# KiCad board GNSS_breakout_L86-M33.kicad_pcb
title: GNSS breakout L86-M33; date: 2022-12-08; rev: V1.2.0; company: SOLDERED; note: 333201
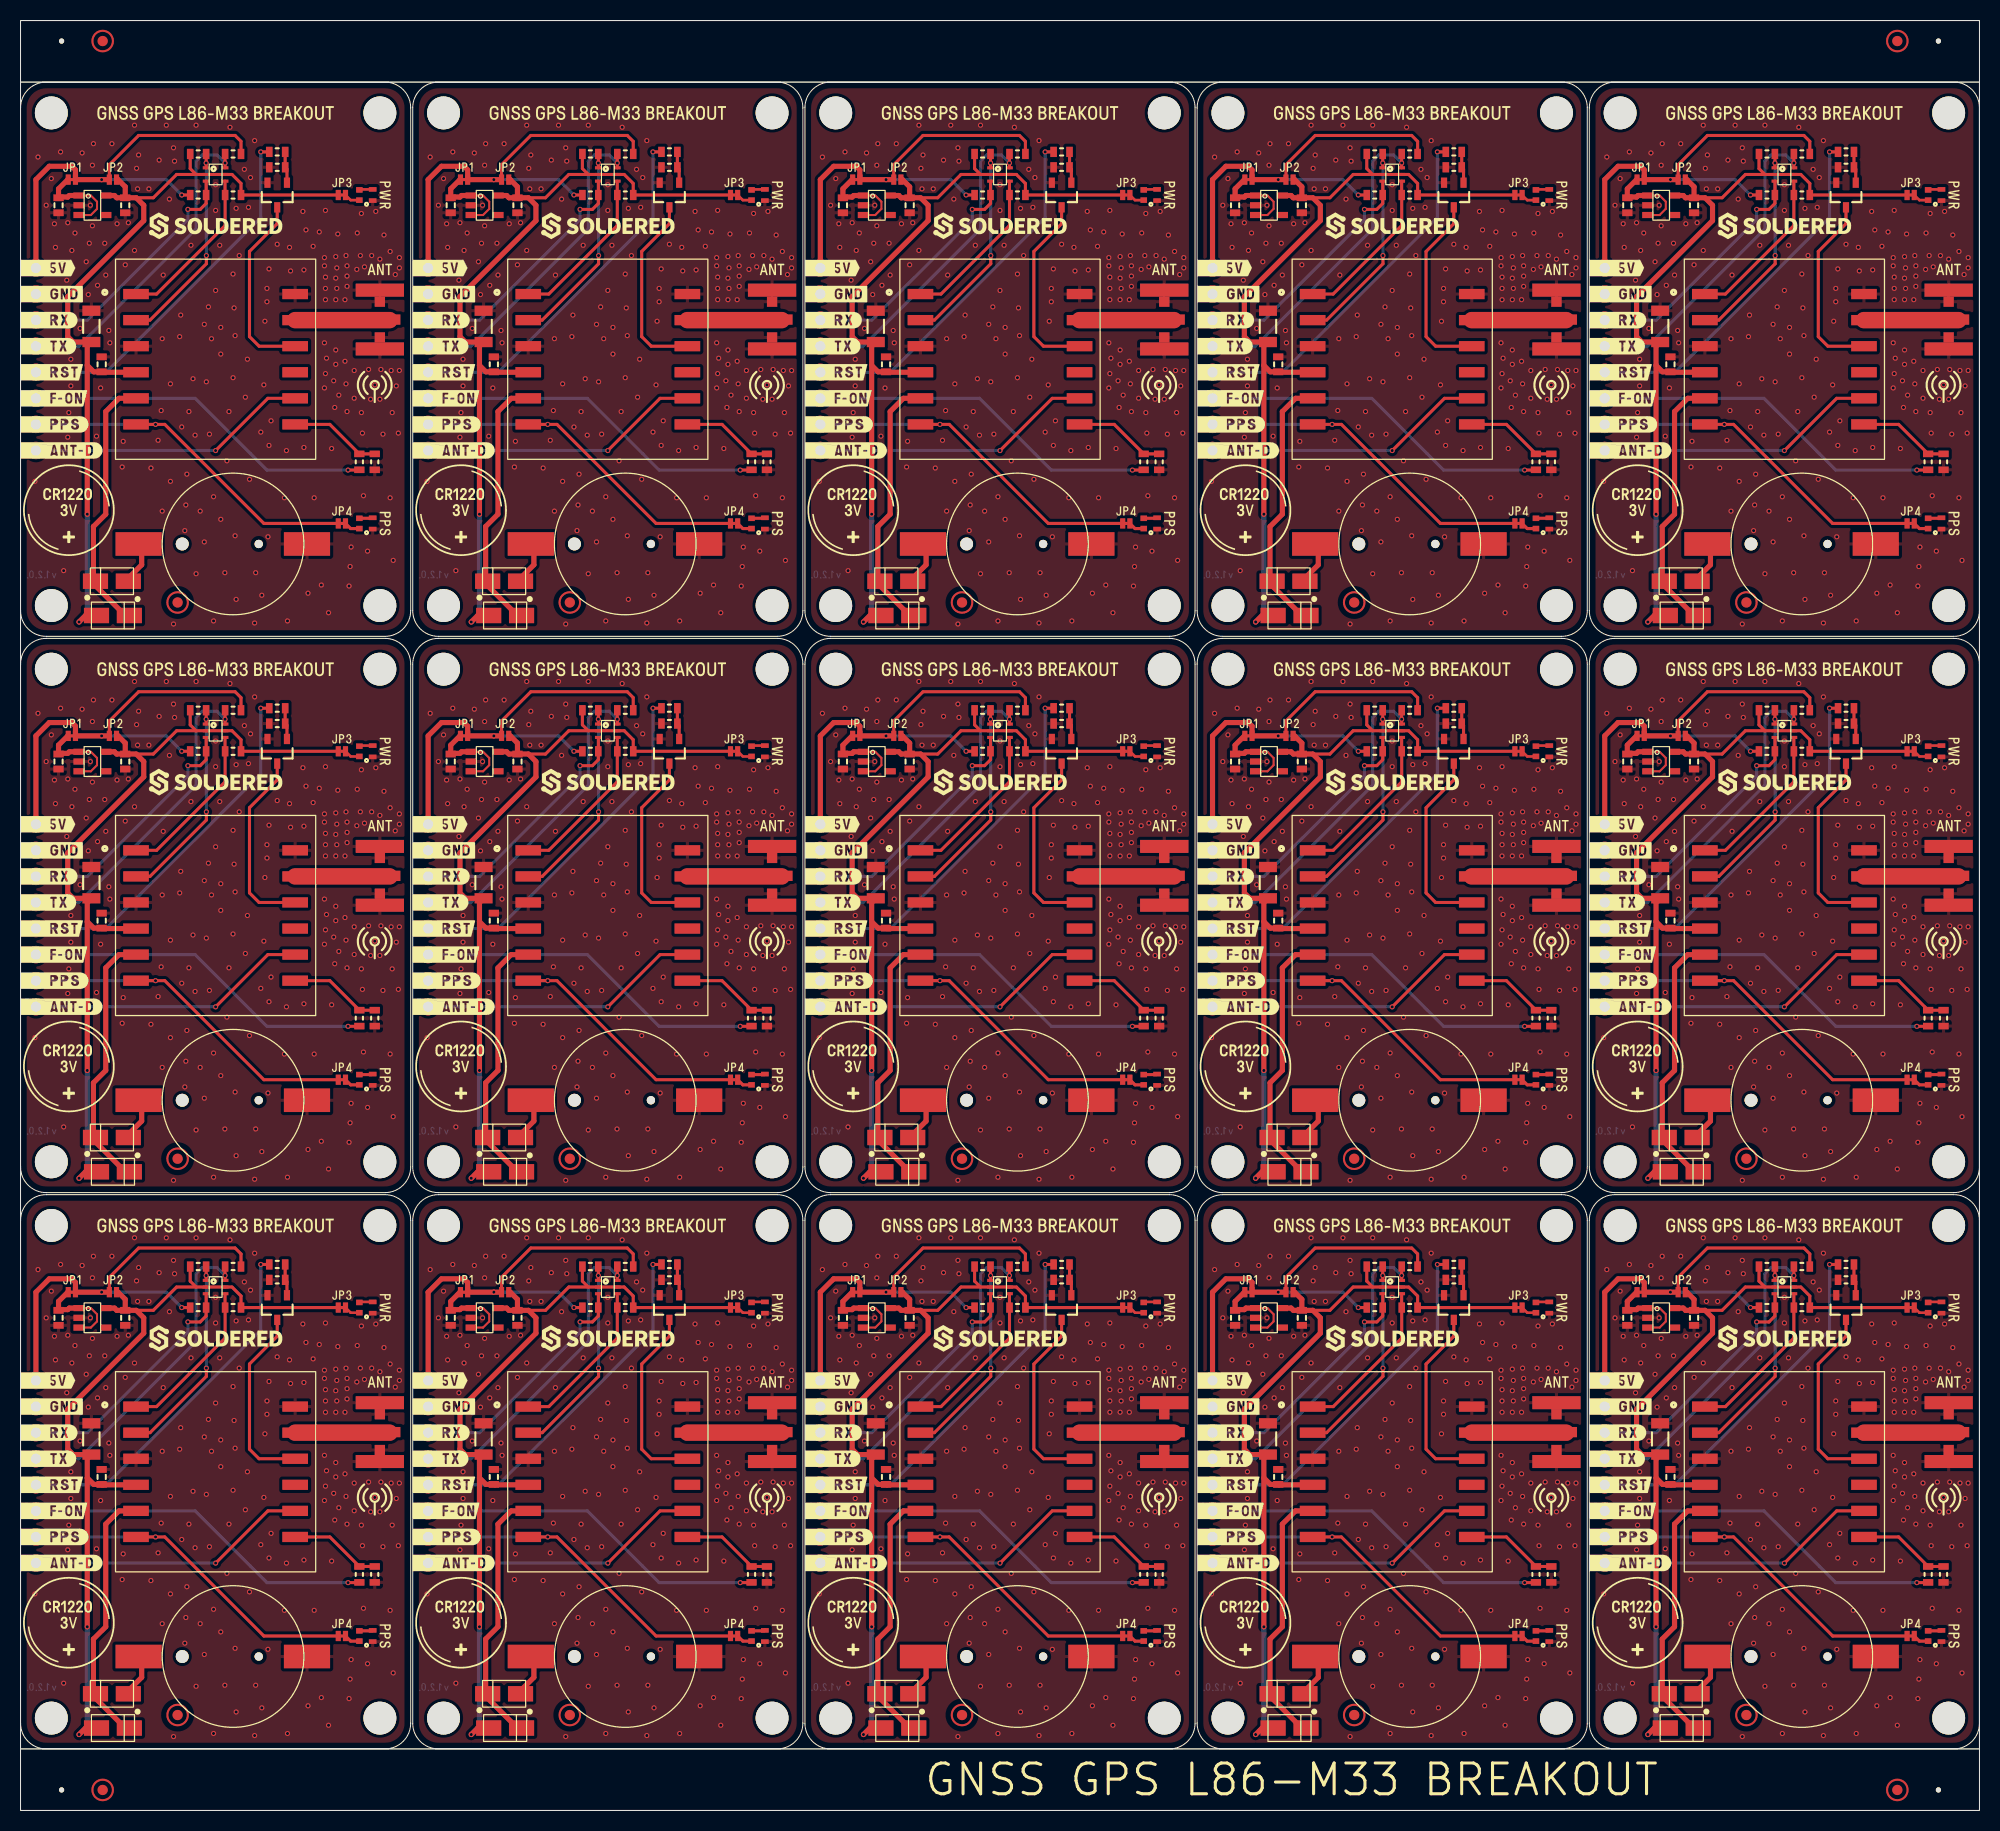
[diagram p0: board, top side]
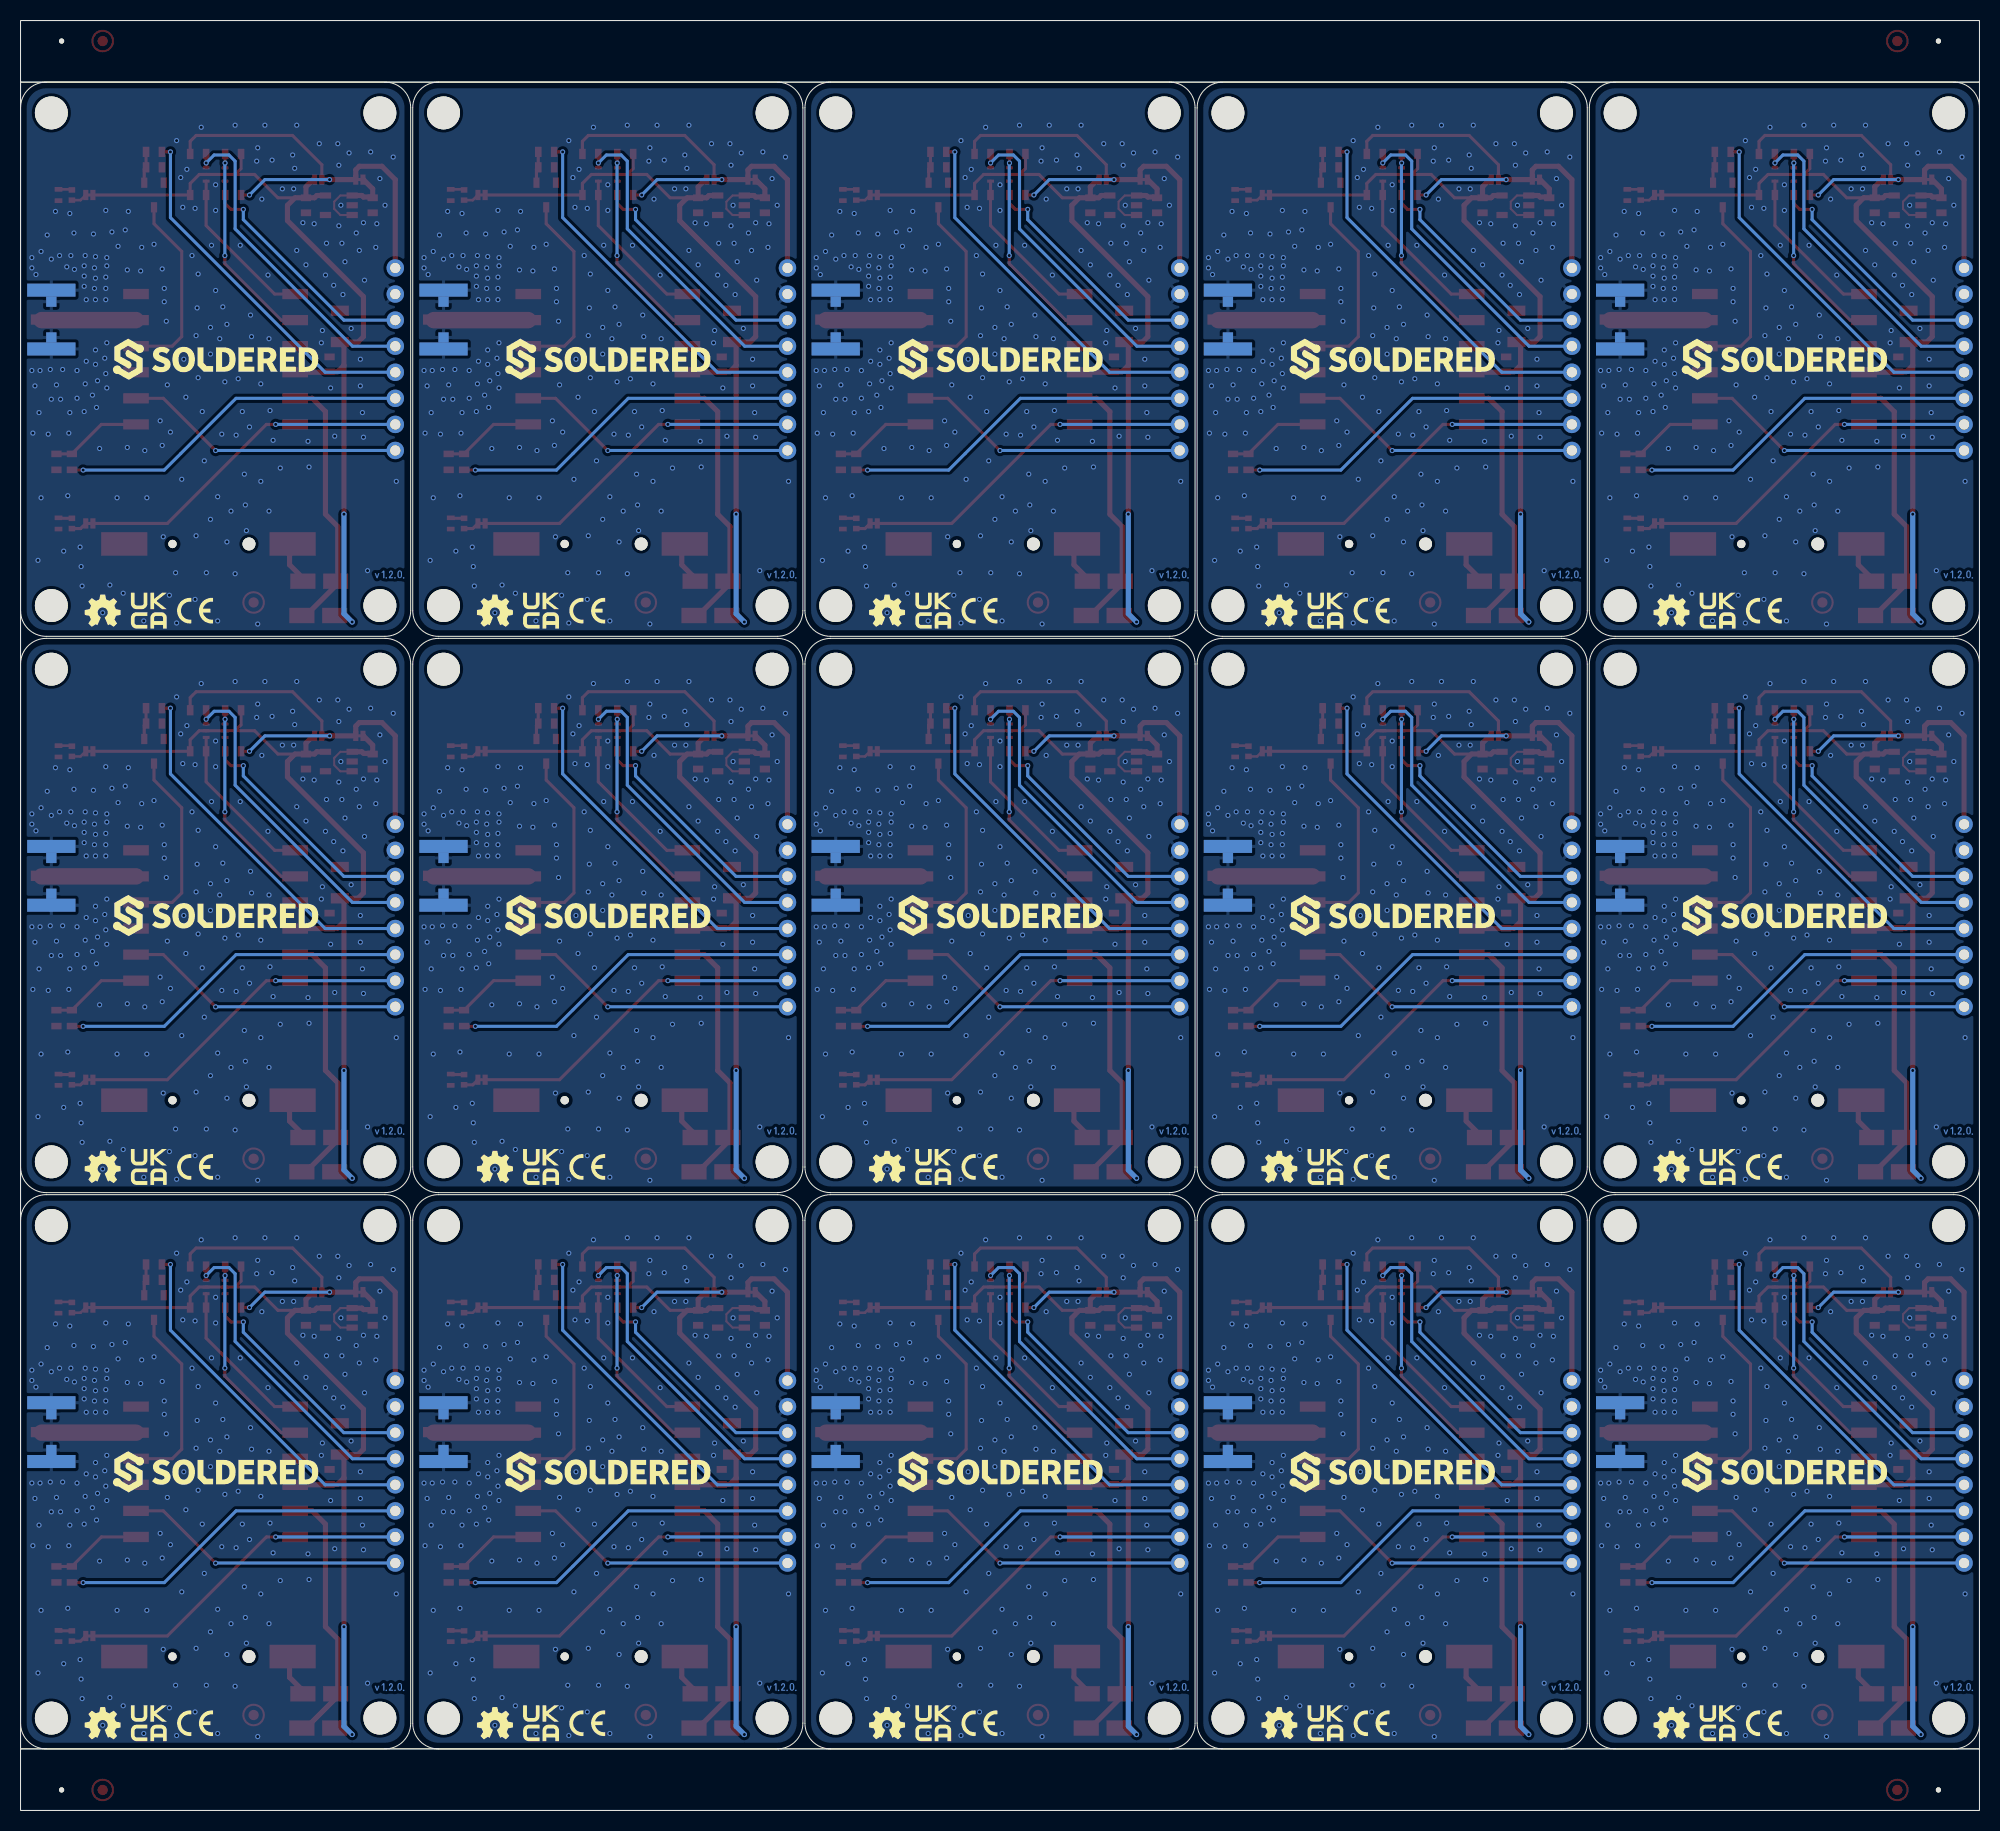
[diagram p1: board, bottom side, seen from below]

Outline 190.8 x 174.4 mm; copper layers: Top, Bottom. Coordinates in mm from the lower left corner of the outline.
Outline path: rectangle 0,174.4 190.8,168.4 ; rectangle 0,168.4 190.8,6 ; rectangle 0,6 190.8,0 ; rectangle 190.8,168.4 190.8,6 ; 0,165.9 arc(0.73,167.67) 2.5,168.4 35.5,168.4 arc(37.27,167.67) 38,165.9 38,116.9 arc(37.27,115.13) 35.5,114.4 2.5,114.4 arc(0.73,115.13) 0,116.9 0,165.9 ; 0,111.7 arc(0.73,113.47) 2.5,114.2 35.5,114.2 arc(37.27,113.47) 38,111.7 38,62.7 arc(37.27,60.93) 35.5,60.2 2.5,60.2 arc(0.73,60.93) 0,62.7 0,111.7 ; 0,57.5 arc(0.73,59.27) 2.5,60 35.5,60 arc(37.27,59.27) 38,57.5 38,8.5 arc(37.27,6.73) 35.5,6 2.5,6 arc(0.73,6.73) 0,8.5 0,57.5 ; 38.2,165.9 arc(38.93,167.67) 40.7,168.4 73.7,168.4 arc(75.47,167.67) 76.2,165.9 76.2,116.9 arc(75.47,115.13) 73.7,114.4 40.7,114.4 arc(38.93,115.13) 38.2,116.9 38.2,165.9 ; 38.2,111.7 arc(38.93,113.47) 40.7,114.2 73.7,114.2 arc(75.47,113.47) 76.2,111.7 76.2,62.7 arc(75.47,60.93) 73.7,60.2 40.7,60.2 arc(38.93,60.93) 38.2,62.7 38.2,111.7 ; 38.2,57.5 arc(38.93,59.27) 40.7,60 73.7,60 arc(75.47,59.27) 76.2,57.5 76.2,8.5 arc(75.47,6.73) 73.7,6 40.7,6 arc(38.93,6.73) 38.2,8.5 38.2,57.5 ; 76.4,165.9 arc(77.13,167.67) 78.9,168.4 111.9,168.4 arc(113.67,167.67) 114.4,165.9 114.4,116.9 arc(113.67,115.13) 111.9,114.4 78.9,114.4 arc(77.13,115.13) 76.4,116.9 76.4,165.9 ; 76.4,111.7 arc(77.13,113.47) 78.9,114.2 111.9,114.2 arc(113.67,113.47) 114.4,111.7 114.4,62.7 arc(113.67,60.93) 111.9,60.2 78.9,60.2 arc(77.13,60.93) 76.4,62.7 76.4,111.7 ; 76.4,57.5 arc(77.13,59.27) 78.9,60 111.9,60 arc(113.67,59.27) 114.4,57.5 114.4,8.5 arc(113.67,6.73) 111.9,6 78.9,6 arc(77.13,6.73) 76.4,8.5 76.4,57.5 ; 114.6,165.9 arc(115.33,167.67) 117.1,168.4 150.1,168.4 arc(151.87,167.67) 152.6,165.9 152.6,116.9 arc(151.87,115.13) 150.1,114.4 117.1,114.4 arc(115.33,115.13) 114.6,116.9 114.6,165.9 ; 114.6,111.7 arc(115.33,113.47) 117.1,114.2 150.1,114.2 arc(151.87,113.47) 152.6,111.7 152.6,62.7 arc(151.87,60.93) 150.1,60.2 117.1,60.2 arc(115.33,60.93) 114.6,62.7 114.6,111.7 ; 114.6,57.5 arc(115.33,59.27) 117.1,60 150.1,60 arc(151.87,59.27) 152.6,57.5 152.6,8.5 arc(151.87,6.73) 150.1,6 117.1,6 arc(115.33,6.73) 114.6,8.5 114.6,57.5 ; 152.8,165.9 arc(153.53,167.67) 155.3,168.4 188.3,168.4 arc(190.07,167.67) 190.8,165.9 190.8,116.9 arc(190.07,115.13) 188.3,114.4 155.3,114.4 arc(153.53,115.13) 152.8,116.9 152.8,165.9 ; 152.8,111.7 arc(153.53,113.47) 155.3,114.2 188.3,114.2 arc(190.07,113.47) 190.8,111.7 190.8,62.7 arc(190.07,60.93) 188.3,60.2 155.3,60.2 arc(153.53,60.93) 152.8,62.7 152.8,111.7 ; 152.8,57.5 arc(153.53,59.27) 155.3,60 188.3,60 arc(190.07,59.27) 190.8,57.5 190.8,8.5 arc(190.07,6.73) 188.3,6 155.3,6 arc(153.53,6.73) 152.8,8.5 152.8,57.5
Stack: Top 0.035mm / dielectric 1.51mm FR4 er 4.5 / Bottom 0.035mm

## Placement (name value [footprint] x y rotation side)
C1  100n  [0603C]  7.9 86.7 270 top
C1#2  100n  [0603C]  122.5 140.9 270 top
C1#3  100n  [0603C]  7.9 32.5 270 top
C1#4  100n  [0603C]  46.1 86.7 270 top
C1#5  100n  [0603C]  46.1 140.9 270 top
C1#6  100n  [0603C]  84.3 140.9 270 top
C1#7  100n  [0603C]  160.7 86.7 270 top
C1#8  100n  [0603C]  46.1 32.5 270 top
C1#9  100n  [0603C]  122.5 86.7 270 top
C1#10  100n  [0603C]  160.7 32.5 270 top
C1#11  100n  [0603C]  7.9 140.9 270 top
C1#12  100n  [0603C]  84.3 32.5 270 top
C1#13  100n  [0603C]  160.7 140.9 270 top
C1#14  100n  [0603C]  84.3 86.7 270 top
C1#15  100n  [0603C]  122.5 32.5 270 top
C2  10u  [1206C]  83.3 36.2 270 top
C2#2  10u  [1206C]  83.3 144.6 270 top
C2#3  10u  [1206C]  45.1 144.6 270 top
C2#4  10u  [1206C]  6.9 90.4 270 top
C2#5  10u  [1206C]  121.5 144.6 270 top
C2#6  10u  [1206C]  121.5 36.2 270 top
C2#7  10u  [1206C]  121.5 90.4 270 top
C2#8  10u  [1206C]  6.9 36.2 270 top
C2#9  10u  [1206C]  159.7 36.2 270 top
C2#10  10u  [1206C]  45.1 36.2 270 top
C2#11  10u  [1206C]  83.3 90.4 270 top
C2#12  10u  [1206C]  159.7 90.4 270 top
C2#13  10u  [1206C]  6.9 144.6 270 top
C2#14  10u  [1206C]  45.1 90.4 270 top
C2#15  10u  [1206C]  159.7 144.6 270 top
C3  2u2  [0603C]  80.1 102.2 90 top
C3#2  2u2  [0603C]  3.7 48 90 top
C3#3  2u2  [0603C]  80.1 48 90 top
C3#4  2u2  [0603C]  118.3 156.4 90 top
C3#5  2u2  [0603C]  3.7 102.2 90 top
C3#6  2u2  [0603C]  41.9 48 90 top
C3#7  2u2  [0603C]  156.5 48 90 top
C3#8  2u2  [0603C]  118.3 48 90 top
C3#9  2u2  [0603C]  118.3 102.2 90 top
C3#10  2u2  [0603C]  41.9 156.4 90 top
C3#11  2u2  [0603C]  3.7 156.4 90 top
C3#12  2u2  [0603C]  156.5 102.2 90 top
C3#13  2u2  [0603C]  41.9 102.2 90 top
C3#14  2u2  [0603C]  80.1 156.4 90 top
C3#15  2u2  [0603C]  156.5 156.4 90 top
C4  2u2  [0603C]  124.8 48 90 top
C4#2  2u2  [0603C]  163 156.4 90 top
C4#3  2u2  [0603C]  48.4 102.2 90 top
C4#4  2u2  [0603C]  10.2 48 90 top
C4#5  2u2  [0603C]  163 102.2 90 top
C4#6  2u2  [0603C]  86.6 102.2 90 top
C4#7  2u2  [0603C]  48.4 48 90 top
C4#8  2u2  [0603C]  86.6 156.4 90 top
C4#9  2u2  [0603C]  10.2 156.4 90 top
C4#10  2u2  [0603C]  10.2 102.2 90 top
C4#11  2u2  [0603C]  124.8 102.2 90 top
C4#12  2u2  [0603C]  48.4 156.4 90 top
C4#13  2u2  [0603C]  124.8 156.4 90 top
C4#14  2u2  [0603C]  163 48 90 top
C4#15  2u2  [0603C]  86.6 48 90 top
D1  -  [M4_DIODA]  161.8 62.23 0 top
D1#2  -  [M4_DIODA]  123.6 62.23 0 top
D1#3  -  [M4_DIODA]  9 62.23 0 top
D1#4  -  [M4_DIODA]  85.4 62.23 0 top
D1#5  -  [M4_DIODA]  123.6 8.03 0 top
D1#6  -  [M4_DIODA]  161.8 8.03 0 top
D1#7  -  [M4_DIODA]  123.6 116.43 0 top
D1#8  -  [M4_DIODA]  9 116.43 0 top
D1#9  -  [M4_DIODA]  9 8.03 0 top
D1#10  -  [M4_DIODA]  85.4 8.03 0 top
D1#11  -  [M4_DIODA]  161.8 116.43 0 top
D1#12  -  [M4_DIODA]  47.2 116.43 0 top
D1#13  -  [M4_DIODA]  47.2 62.23 0 top
D1#14  -  [M4_DIODA]  47.2 8.03 0 top
D1#15  -  [M4_DIODA]  85.4 116.43 0 top
D2  -  [M4_DIODA]  85.3 119.77 180 top
D2#2  -  [M4_DIODA]  161.7 65.57 180 top
D2#3  -  [M4_DIODA]  123.5 65.57 180 top
D2#4  -  [M4_DIODA]  123.5 11.37 180 top
D2#5  -  [M4_DIODA]  161.7 11.37 180 top
D2#6  -  [M4_DIODA]  123.5 119.77 180 top
D2#7  -  [M4_DIODA]  47.1 119.77 180 top
D2#8  -  [M4_DIODA]  47.1 11.37 180 top
D2#9  -  [M4_DIODA]  161.7 119.77 180 top
D2#10  -  [M4_DIODA]  85.3 65.57 180 top
D2#11  -  [M4_DIODA]  8.9 11.37 180 top
D2#12  -  [M4_DIODA]  47.1 65.57 180 top
D2#13  -  [M4_DIODA]  8.9 65.57 180 top
D2#14  -  [M4_DIODA]  8.9 119.77 180 top
D2#15  -  [M4_DIODA]  85.3 11.37 180 top
D3  purple  [0402LED]  148.9 103.2 270 top
D3#2  purple  [0402LED]  110.7 103.2 270 top
D3#3  purple  [0402LED]  72.5 103.2 270 top
D3#4  purple  [0402LED]  110.7 49 270 top
D3#5  purple  [0402LED]  187.1 157.4 270 top
D3#6  purple  [0402LED]  148.9 49 270 top
D3#7  purple  [0402LED]  187.1 103.2 270 top
D3#8  purple  [0402LED]  34.3 157.4 270 top
D3#9  purple  [0402LED]  72.5 49 270 top
D3#10  purple  [0402LED]  148.9 157.4 270 top
D3#11  purple  [0402LED]  34.3 103.2 270 top
D3#12  purple  [0402LED]  110.7 157.4 270 top
D3#13  purple  [0402LED]  72.5 157.4 270 top
D3#14  purple  [0402LED]  34.3 49 270 top
D3#15  purple  [0402LED]  187.1 49 270 top
D4  blue  [0402LED]  148.9 125.4 270 top
D4#2  blue  [0402LED]  110.7 125.4 270 top
D4#3  blue  [0402LED]  187.1 17 270 top
D4#4  blue  [0402LED]  110.7 17 270 top
D4#5  blue  [0402LED]  34.3 71.2 270 top
D4#6  blue  [0402LED]  148.9 71.2 270 top
D4#7  blue  [0402LED]  110.7 71.2 270 top
D4#8  blue  [0402LED]  72.5 71.2 270 top
D4#9  blue  [0402LED]  72.5 125.4 270 top
D4#10  blue  [0402LED]  187.1 71.2 270 top
D4#11  blue  [0402LED]  72.5 17 270 top
D4#12  blue  [0402LED]  34.3 125.4 270 top
D4#13  blue  [0402LED]  34.3 17 270 top
D4#14  blue  [0402LED]  148.9 17 270 top
D4#15  blue  [0402LED]  187.1 125.4 270 top
FD1  FIDUCIAL  [FIDUCIAL_23]  168.1 63.5 0 top
FD1#2  FIDUCIAL  [FIDUCIAL_23]  91.7 63.5 0 top
FD1#3  FIDUCIAL  [FIDUCIAL_23]  8 172.4 0 top
FD1#4  FIDUCIAL  [FIDUCIAL_23]  129.9 9.3 0 top
FD1#5  FIDUCIAL  [FIDUCIAL_23]  53.5 9.3 0 top
FD1#6  FIDUCIAL  [FIDUCIAL_23]  129.9 117.7 0 top
FD1#7  FIDUCIAL  [FIDUCIAL_23]  168.1 9.3 0 top
FD1#8  FIDUCIAL  [FIDUCIAL_23]  91.7 117.7 0 top
FD1#9  FIDUCIAL  [FIDUCIAL_23]  8 2 0 top
FD1#10  FIDUCIAL  [FIDUCIAL_23]  182.8 172.4 0 top
FD1#11  FIDUCIAL  [FIDUCIAL_23]  129.9 63.5 0 top
FD1#12  FIDUCIAL  [FIDUCIAL_23]  15.3 9.3 0 top
FD1#13  FIDUCIAL  [FIDUCIAL_23]  91.7 9.3 0 top
FD1#14  FIDUCIAL  [FIDUCIAL_23]  182.8 2 0 top
FD1#15  FIDUCIAL  [FIDUCIAL_23]  168.1 117.7 0 top
FD1#16  FIDUCIAL  [FIDUCIAL_23]  15.3 117.7 0 top
FD1#17  FIDUCIAL  [FIDUCIAL_23]  53.5 63.5 0 top
FD1#18  FIDUCIAL  [FIDUCIAL_23]  53.5 117.7 0 top
FD1#19  FIDUCIAL  [FIDUCIAL_23]  15.3 63.5 0 top
G***  LOGO  [Symbol-Front-Antenna]  149.1 84.5 0 top
G***#2  LOGO  [Symbol-Front-Antenna]  187.3 138.7 0 top
G***#3  LOGO  [Symbol-Front-Antenna]  149.1 30.3 0 top
G***#4  LOGO  [Logo-Back-OSH-3.5mm]  68.2 62.7 0 top
G***#5  LOGO  [Symbol-Front-Antenna]  187.3 30.3 0 top
G***#6  LOGO  [Symbol-Front-Antenna]  110.9 138.7 0 top
G***#7  LOGO  [Symbol-Front-Antenna]  72.7 138.7 0 top
G***#8  LOGO  [Logo-Back-OSH-3.5mm]  144.6 116.9 0 top
G***#9  LOGO  [Logo-Back-OSH-3.5mm]  30 8.5 0 top
G***#10  LOGO  [Logo-Back-OSH-3.5mm]  182.8 8.5 0 top
G***#11  LOGO  [Logo-Back-OSH-3.5mm]  68.2 8.5 0 top
G***#12  LOGO  [Logo-Back-OSH-3.5mm]  182.8 62.7 0 top
G***#13  LOGO  [Logo-Back-OSH-3.5mm]  182.8 116.9 0 top
G***#14  LOGO  [Symbol-Front-Antenna]  34.5 138.7 0 top
G***#15  LOGO  [Symbol-Front-Antenna]  72.7 84.5 0 top
G***#16  LOGO  [Logo-Back-OSH-3.5mm]  68.2 116.9 0 top
G***#17  LOGO  [Logo-Back-OSH-3.5mm]  144.6 8.5 0 top
G***#18  LOGO  [Symbol-Front-Antenna]  72.7 30.3 0 top
G***#19  LOGO  [Logo-Back-OSH-3.5mm]  106.4 8.5 0 top
G***#20  LOGO  [Symbol-Front-Antenna]  149.1 138.7 0 top
G***#21  LOGO  [Logo-Back-OSH-3.5mm]  106.4 116.9 0 top
G***#22  LOGO  [Symbol-Front-Antenna]  110.9 30.3 0 top
G***#23  LOGO  [Logo-Back-OSH-3.5mm]  144.6 62.7 0 top
G***#24  LOGO  [Symbol-Front-Antenna]  110.9 84.5 0 top
G***#25  LOGO  [Logo-Back-OSH-3.5mm]  30 116.9 0 top
G***#26  LOGO  [Logo-Back-OSH-3.5mm]  30 62.7 0 top
G***#27  LOGO  [Symbol-Front-Antenna]  34.5 84.5 0 top
G***#28  LOGO  [Logo-Back-OSH-3.5mm]  106.4 62.7 0 top
G***#29  LOGO  [Symbol-Front-Antenna]  34.5 30.3 0 top
G***#30  LOGO  [Symbol-Front-Antenna]  187.3 84.5 0 top
H1  -  [HOLE_3.2mm]  155.8 117.4 0 top
H1#2  -  [HOLE_3.2mm]  117.6 63.2 0 top
H1#3  -  [HOLE_3.2mm]  3 63.2 0 top
H1#4  -  [HOLE_3.2mm]  79.4 117.4 0 top
H1#5  -  [HOLE_3.2mm]  155.8 9 0 top
H1#6  -  [HOLE_3.2mm]  3 117.4 0 top
H1#7  -  [HOLE_3.2mm]  3 9 0 top
H1#8  -  [HOLE_3.2mm]  41.2 63.2 0 top
H1#9  -  [HOLE_3.2mm]  41.2 117.4 0 top
H1#10  -  [HOLE_3.2mm]  41.2 9 0 top
H1#11  -  [HOLE_3.2mm]  155.8 63.2 0 top
H1#12  -  [HOLE_3.2mm]  79.4 9 0 top
H1#13  -  [HOLE_3.2mm]  117.6 9 0 top
H1#14  -  [HOLE_3.2mm]  117.6 117.4 0 top
H1#15  -  [HOLE_3.2mm]  79.4 63.2 0 top
H2  -  [HOLE_3.2mm]  117.6 57 0 top
H2#2  -  [HOLE_3.2mm]  41.2 165.4 0 top
H2#3  -  [HOLE_3.2mm]  3 165.4 0 top
H2#4  -  [HOLE_3.2mm]  41.2 111.2 0 top
H2#5  -  [HOLE_3.2mm]  41.2 57 0 top
H2#6  -  [HOLE_3.2mm]  79.4 111.2 0 top
H2#7  -  [HOLE_3.2mm]  79.4 57 0 top
H2#8  -  [HOLE_3.2mm]  155.8 111.2 0 top
H2#9  -  [HOLE_3.2mm]  3 57 0 top
H2#10  -  [HOLE_3.2mm]  155.8 57 0 top
H2#11  -  [HOLE_3.2mm]  117.6 165.4 0 top
H2#12  -  [HOLE_3.2mm]  79.4 165.4 0 top
H2#13  -  [HOLE_3.2mm]  3 111.2 0 top
H2#14  -  [HOLE_3.2mm]  155.8 165.4 0 top
H2#15  -  [HOLE_3.2mm]  117.6 111.2 0 top
H3  -  [HOLE_3.2mm]  35 57 0 top
H3#2  -  [HOLE_3.2mm]  149.6 111.2 0 top
H3#3  -  [HOLE_3.2mm]  73.2 165.4 0 top
H3#4  -  [HOLE_3.2mm]  187.8 111.2 0 top
H3#5  -  [HOLE_3.2mm]  111.4 165.4 0 top
H3#6  -  [HOLE_3.2mm]  73.2 111.2 0 top
H3#7  -  [HOLE_3.2mm]  35 111.2 0 top
H3#8  -  [HOLE_3.2mm]  149.6 165.4 0 top
H3#9  -  [HOLE_3.2mm]  73.2 57 0 top
H3#10  -  [HOLE_3.2mm]  187.8 57 0 top
H3#11  -  [HOLE_3.2mm]  187.8 165.4 0 top
H3#12  -  [HOLE_3.2mm]  149.6 57 0 top
H3#13  -  [HOLE_3.2mm]  111.4 57 0 top
H3#14  -  [HOLE_3.2mm]  35 165.4 0 top
H3#15  -  [HOLE_3.2mm]  111.4 111.2 0 top
H4  -  [HOLE_3.2mm]  187.8 117.4 0 top
H4#2  -  [HOLE_3.2mm]  149.6 63.2 0 top
H4#3  -  [HOLE_3.2mm]  187.8 63.2 0 top
H4#4  -  [HOLE_3.2mm]  73.2 9 0 top
H4#5  -  [HOLE_3.2mm]  187.8 9 0 top
H4#6  -  [HOLE_3.2mm]  73.2 117.4 0 top
H4#7  -  [HOLE_3.2mm]  111.4 117.4 0 top
H4#8  -  [HOLE_3.2mm]  73.2 63.2 0 top
H4#9  -  [HOLE_3.2mm]  149.6 117.4 0 top
H4#10  -  [HOLE_3.2mm]  35 9 0 top
H4#11  -  [HOLE_3.2mm]  35 117.4 0 top
H4#12  -  [HOLE_3.2mm]  111.4 63.2 0 top
H4#13  -  [HOLE_3.2mm]  149.6 9 0 top
H4#14  -  [HOLE_3.2mm]  111.4 9 0 top
H4#15  -  [HOLE_3.2mm]  35 63.2 0 top
JP1  -  [SMD-JUMPER-CONNECTED_TRACE_SLODERMASK]  119.6 104.7 0 top
JP1#2  -  [SMD-JUMPER-CONNECTED_TRACE_SLODERMASK]  43.2 104.7 0 top
JP1#3  -  [SMD-JUMPER-CONNECTED_TRACE_SLODERMASK]  5 104.7 0 top
JP1#4  -  [SMD-JUMPER-CONNECTED_TRACE_SLODERMASK]  157.8 158.9 0 top
JP1#5  -  [SMD-JUMPER-CONNECTED_TRACE_SLODERMASK]  43.2 158.9 0 top
JP1#6  -  [SMD-JUMPER-CONNECTED_TRACE_SLODERMASK]  157.8 104.7 0 top
JP1#7  -  [SMD-JUMPER-CONNECTED_TRACE_SLODERMASK]  81.4 158.9 0 top
JP1#8  -  [SMD-JUMPER-CONNECTED_TRACE_SLODERMASK]  43.2 50.5 0 top
JP1#9  -  [SMD-JUMPER-CONNECTED_TRACE_SLODERMASK]  157.8 50.5 0 top
JP1#10  -  [SMD-JUMPER-CONNECTED_TRACE_SLODERMASK]  5 50.5 0 top
JP1#11  -  [SMD-JUMPER-CONNECTED_TRACE_SLODERMASK]  119.6 50.5 0 top
JP1#12  -  [SMD-JUMPER-CONNECTED_TRACE_SLODERMASK]  119.6 158.9 0 top
JP1#13  -  [SMD-JUMPER-CONNECTED_TRACE_SLODERMASK]  81.4 104.7 0 top
JP1#14  -  [SMD-JUMPER-CONNECTED_TRACE_SLODERMASK]  81.4 50.5 0 top
JP1#15  -  [SMD-JUMPER-CONNECTED_TRACE_SLODERMASK]  5 158.9 0 top
JP2  -  [SMD_JUMPER]  47.2 104.7 0 top
JP2#2  -  [SMD_JUMPER]  9 104.7 0 top
JP2#3  -  [SMD_JUMPER]  85.4 104.7 0 top
JP2#4  -  [SMD_JUMPER]  47.2 50.5 0 top
JP2#5  -  [SMD_JUMPER]  85.4 158.9 0 top
JP2#6  -  [SMD_JUMPER]  161.8 50.5 0 top
JP2#7  -  [SMD_JUMPER]  47.2 158.9 0 top
JP2#8  -  [SMD_JUMPER]  123.6 50.5 0 top
JP2#9  -  [SMD_JUMPER]  85.4 50.5 0 top
JP2#10  -  [SMD_JUMPER]  9 158.9 0 top
JP2#11  -  [SMD_JUMPER]  161.8 104.7 0 top
JP2#12  -  [SMD_JUMPER]  9 50.5 0 top
JP2#13  -  [SMD_JUMPER]  123.6 104.7 0 top
JP2#14  -  [SMD_JUMPER]  123.6 158.9 0 top
JP2#15  -  [SMD_JUMPER]  161.8 158.9 0 top
JP3  -  [SMD-JUMPER-CONNECTED_TRACE_SLODERMASK]  184.1 49 0 top
JP3#2  -  [SMD-JUMPER-CONNECTED_TRACE_SLODERMASK]  145.9 157.4 0 top
JP3#3  -  [SMD-JUMPER-CONNECTED_TRACE_SLODERMASK]  31.3 49 0 top
JP3#4  -  [SMD-JUMPER-CONNECTED_TRACE_SLODERMASK]  184.1 157.4 0 top
JP3#5  -  [SMD-JUMPER-CONNECTED_TRACE_SLODERMASK]  184.1 103.2 0 top
JP3#6  -  [SMD-JUMPER-CONNECTED_TRACE_SLODERMASK]  69.5 49 0 top
JP3#7  -  [SMD-JUMPER-CONNECTED_TRACE_SLODERMASK]  145.9 49 0 top
JP3#8  -  [SMD-JUMPER-CONNECTED_TRACE_SLODERMASK]  145.9 103.2 0 top
JP3#9  -  [SMD-JUMPER-CONNECTED_TRACE_SLODERMASK]  69.5 157.4 0 top
JP3#10  -  [SMD-JUMPER-CONNECTED_TRACE_SLODERMASK]  107.7 49 0 top
JP3#11  -  [SMD-JUMPER-CONNECTED_TRACE_SLODERMASK]  69.5 103.2 0 top
JP3#12  -  [SMD-JUMPER-CONNECTED_TRACE_SLODERMASK]  31.3 103.2 0 top
JP3#13  -  [SMD-JUMPER-CONNECTED_TRACE_SLODERMASK]  107.7 103.2 0 top
JP3#14  -  [SMD-JUMPER-CONNECTED_TRACE_SLODERMASK]  31.3 157.4 0 top
JP3#15  -  [SMD-JUMPER-CONNECTED_TRACE_SLODERMASK]  107.7 157.4 0 top
JP4  -  [SMD-JUMPER-CONNECTED_TRACE_SLODERMASK]  184.1 17 0 top
JP4#2  -  [SMD-JUMPER-CONNECTED_TRACE_SLODERMASK]  107.7 17 0 top
JP4#3  -  [SMD-JUMPER-CONNECTED_TRACE_SLODERMASK]  31.3 125.4 0 top
JP4#4  -  [SMD-JUMPER-CONNECTED_TRACE_SLODERMASK]  107.7 71.2 0 top
JP4#5  -  [SMD-JUMPER-CONNECTED_TRACE_SLODERMASK]  31.3 17 0 top
JP4#6  -  [SMD-JUMPER-CONNECTED_TRACE_SLODERMASK]  107.7 125.4 0 top
JP4#7  -  [SMD-JUMPER-CONNECTED_TRACE_SLODERMASK]  69.5 71.2 0 top
JP4#8  -  [SMD-JUMPER-CONNECTED_TRACE_SLODERMASK]  69.5 125.4 0 top
JP4#9  -  [SMD-JUMPER-CONNECTED_TRACE_SLODERMASK]  145.9 125.4 0 top
JP4#10  -  [SMD-JUMPER-CONNECTED_TRACE_SLODERMASK]  69.5 17 0 top
JP4#11  -  [SMD-JUMPER-CONNECTED_TRACE_SLODERMASK]  145.9 71.2 0 top
JP4#12  -  [SMD-JUMPER-CONNECTED_TRACE_SLODERMASK]  184.1 125.4 0 top
JP4#13  -  [SMD-JUMPER-CONNECTED_TRACE_SLODERMASK]  184.1 71.2 0 top
JP4#14  -  [SMD-JUMPER-CONNECTED_TRACE_SLODERMASK]  31.3 71.2 0 top
JP4#15  -  [SMD-JUMPER-CONNECTED_TRACE_SLODERMASK]  145.9 17 0 top
K1  -  [Antenna Connector]  187.8 34 90 top
K1#2  -  [Antenna Connector]  111.4 142.4 90 top
K1#3  -  [Antenna Connector]  35 142.4 90 top
K1#4  -  [Antenna Connector]  149.6 88.2 90 top
K1#5  -  [Antenna Connector]  187.8 88.2 90 top
K1#6  -  [Antenna Connector]  73.2 88.2 90 top
K1#7  -  [Antenna Connector]  187.8 142.4 90 top
K1#8  -  [Antenna Connector]  149.6 34 90 top
K1#9  -  [Antenna Connector]  111.4 34 90 top
K1#10  -  [Antenna Connector]  35 88.2 90 top
K1#11  -  [Antenna Connector]  149.6 142.4 90 top
K1#12  -  [Antenna Connector]  73.2 142.4 90 top
K1#13  -  [Antenna Connector]  35 34 90 top
K1#14  -  [Antenna Connector]  73.2 34 90 top
K1#15  -  [Antenna Connector]  111.4 88.2 90 top
K2  -  [CR1220_HOLDER]  19.7 15 270 top
K2#2  -  [CR1220_HOLDER]  134.3 15 270 top
K2#3  -  [CR1220_HOLDER]  19.7 123.4 270 top
K2#4  -  [CR1220_HOLDER]  96.1 123.4 270 top
K2#5  -  [CR1220_HOLDER]  57.9 69.2 270 top
K2#6  -  [CR1220_HOLDER]  19.7 69.2 270 top
K2#7  -  [CR1220_HOLDER]  172.5 69.2 270 top
K2#8  -  [CR1220_HOLDER]  172.5 123.4 270 top
K2#9  -  [CR1220_HOLDER]  172.5 15 270 top
K2#10  -  [CR1220_HOLDER]  134.3 69.2 270 top
K2#11  -  [CR1220_HOLDER]  96.1 15 270 top
K2#12  -  [CR1220_HOLDER]  134.3 123.4 270 top
K2#13  -  [CR1220_HOLDER]  57.9 123.4 270 top
K2#14  -  [CR1220_HOLDER]  96.1 69.2 270 top
K2#15  -  [CR1220_HOLDER]  57.9 15 270 top
K3  -  [HEADER_MALE_8X1]  77.9 33 90 top
K3#2  -  [HEADER_MALE_8X1]  116.1 33 90 top
K3#3  -  [HEADER_MALE_8X1]  39.7 33 90 top
K3#4  -  [HEADER_MALE_8X1]  154.3 33 90 top
K3#5  -  [HEADER_MALE_8X1]  1.5 33 90 top
K3#6  -  [HEADER_MALE_8X1]  1.5 141.4 90 top
K3#7  -  [HEADER_MALE_8X1]  1.5 87.2 90 top
K3#8  -  [HEADER_MALE_8X1]  154.3 141.4 90 top
K3#9  -  [HEADER_MALE_8X1]  154.3 87.2 90 top
K3#10  -  [HEADER_MALE_8X1]  116.1 87.2 90 top
K3#11  -  [HEADER_MALE_8X1]  77.9 87.2 90 top
K3#12  -  [HEADER_MALE_8X1]  77.9 141.4 90 top
K3#13  -  [HEADER_MALE_8X1]  39.7 141.4 90 top
K3#14  -  [HEADER_MALE_8X1]  39.7 87.2 90 top